# KiCad board RKD07_Assemble_BUILD.kicad_pcb
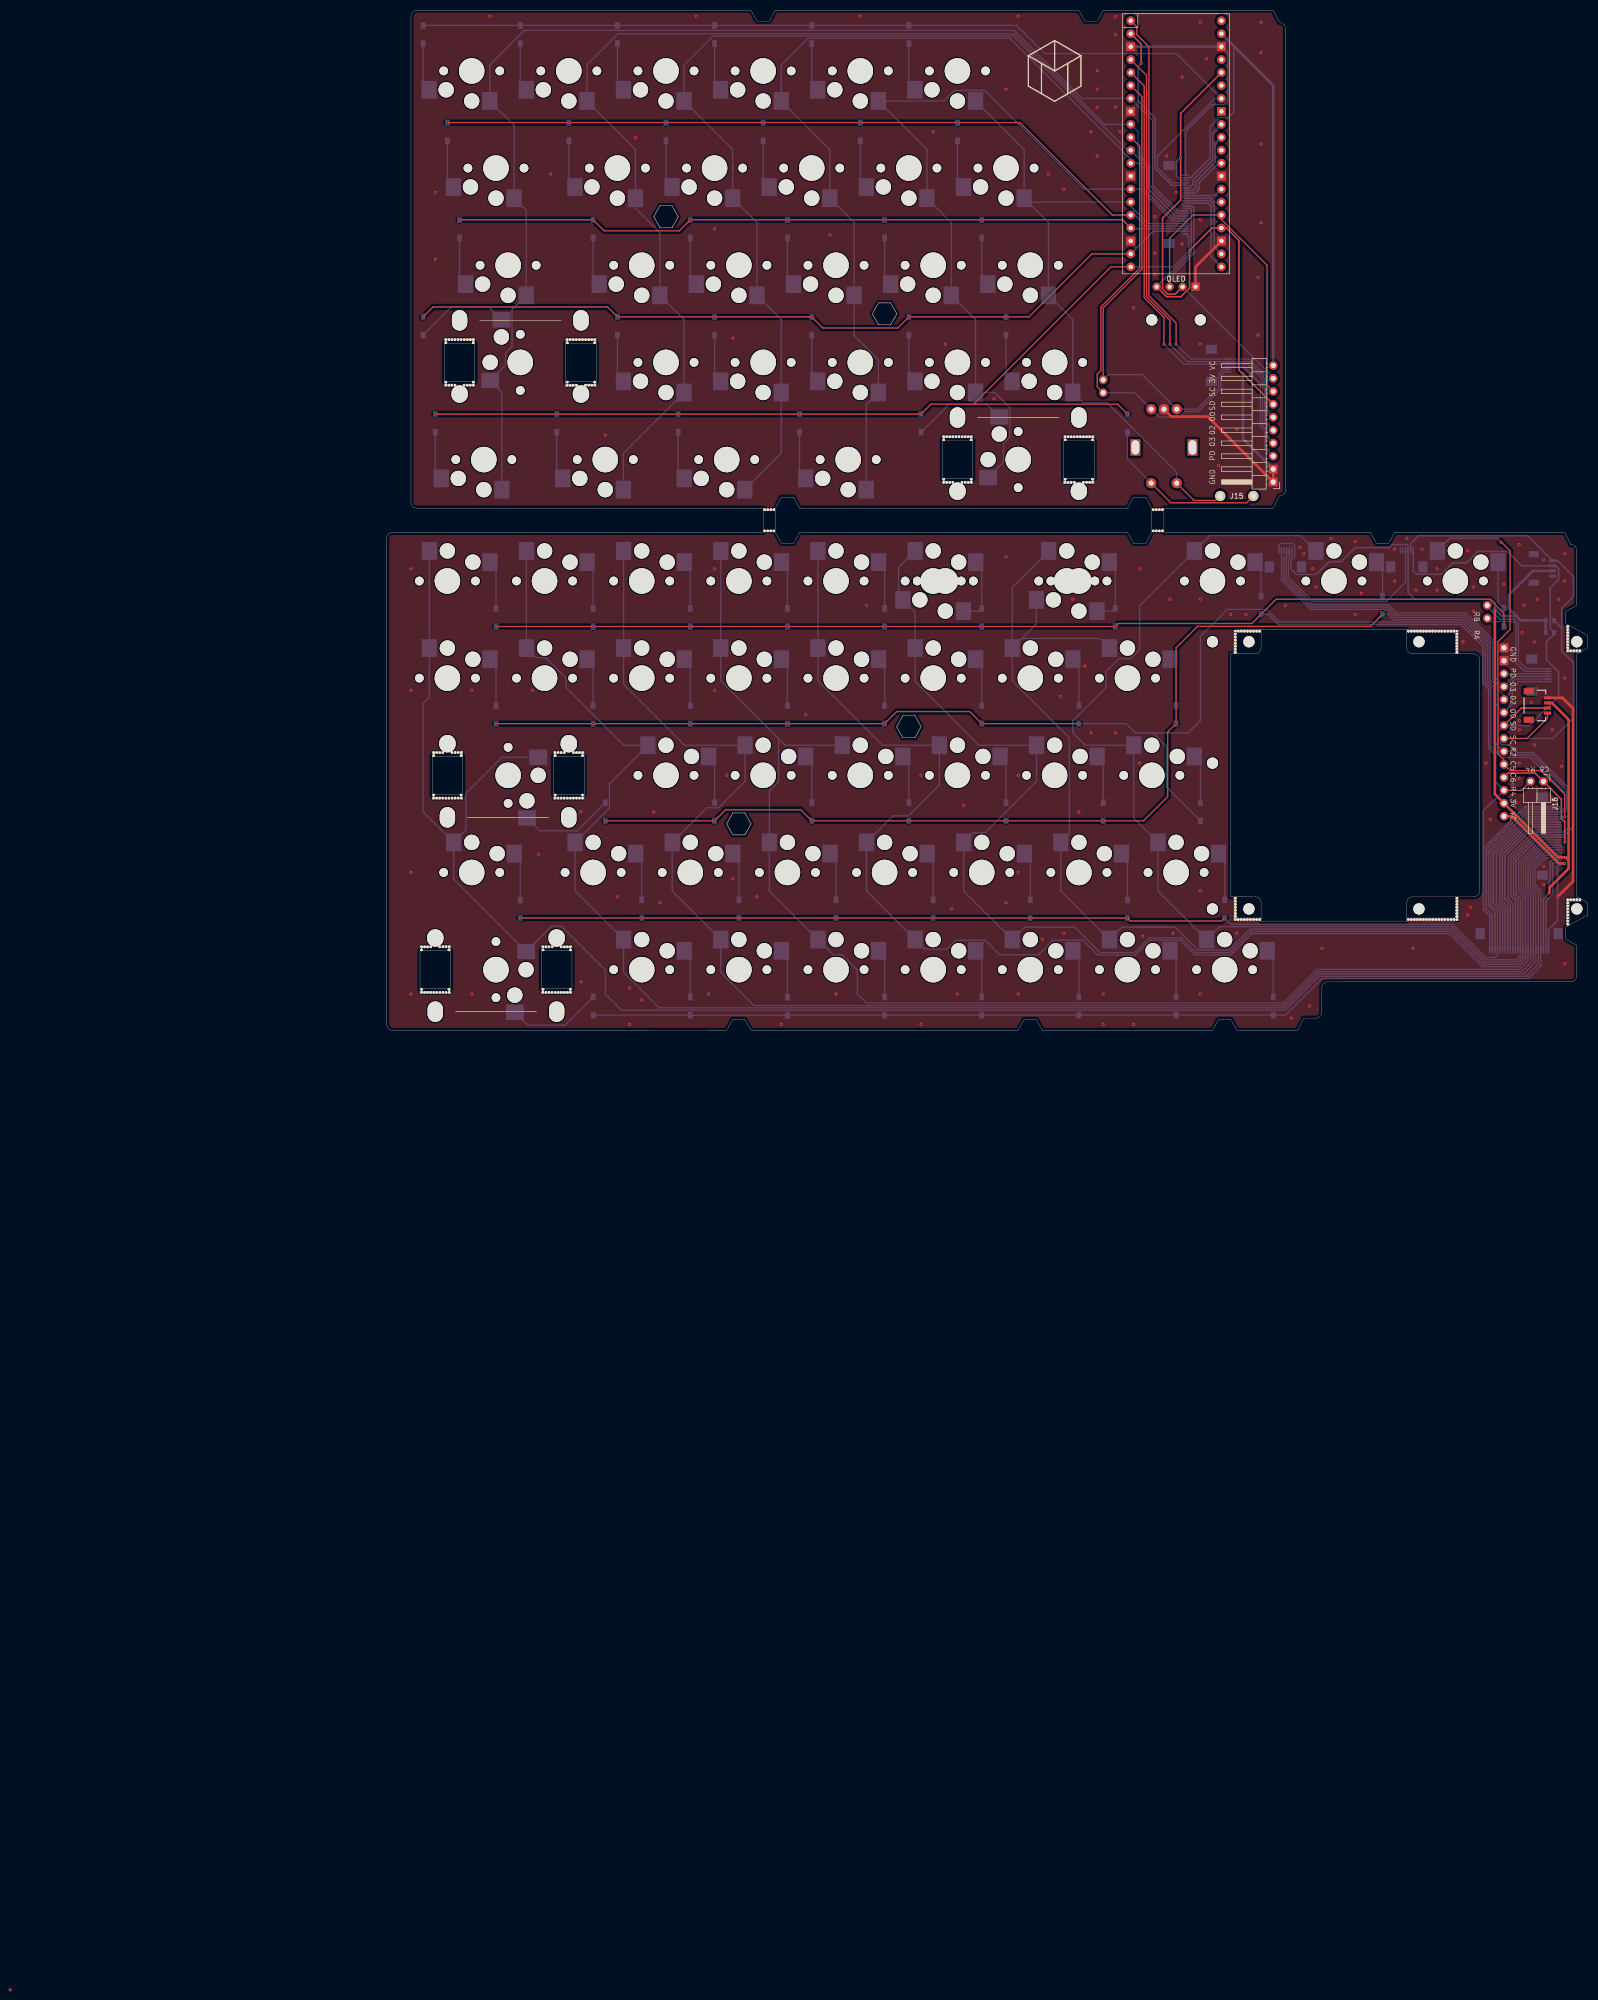
[diagram p0: board, top side]
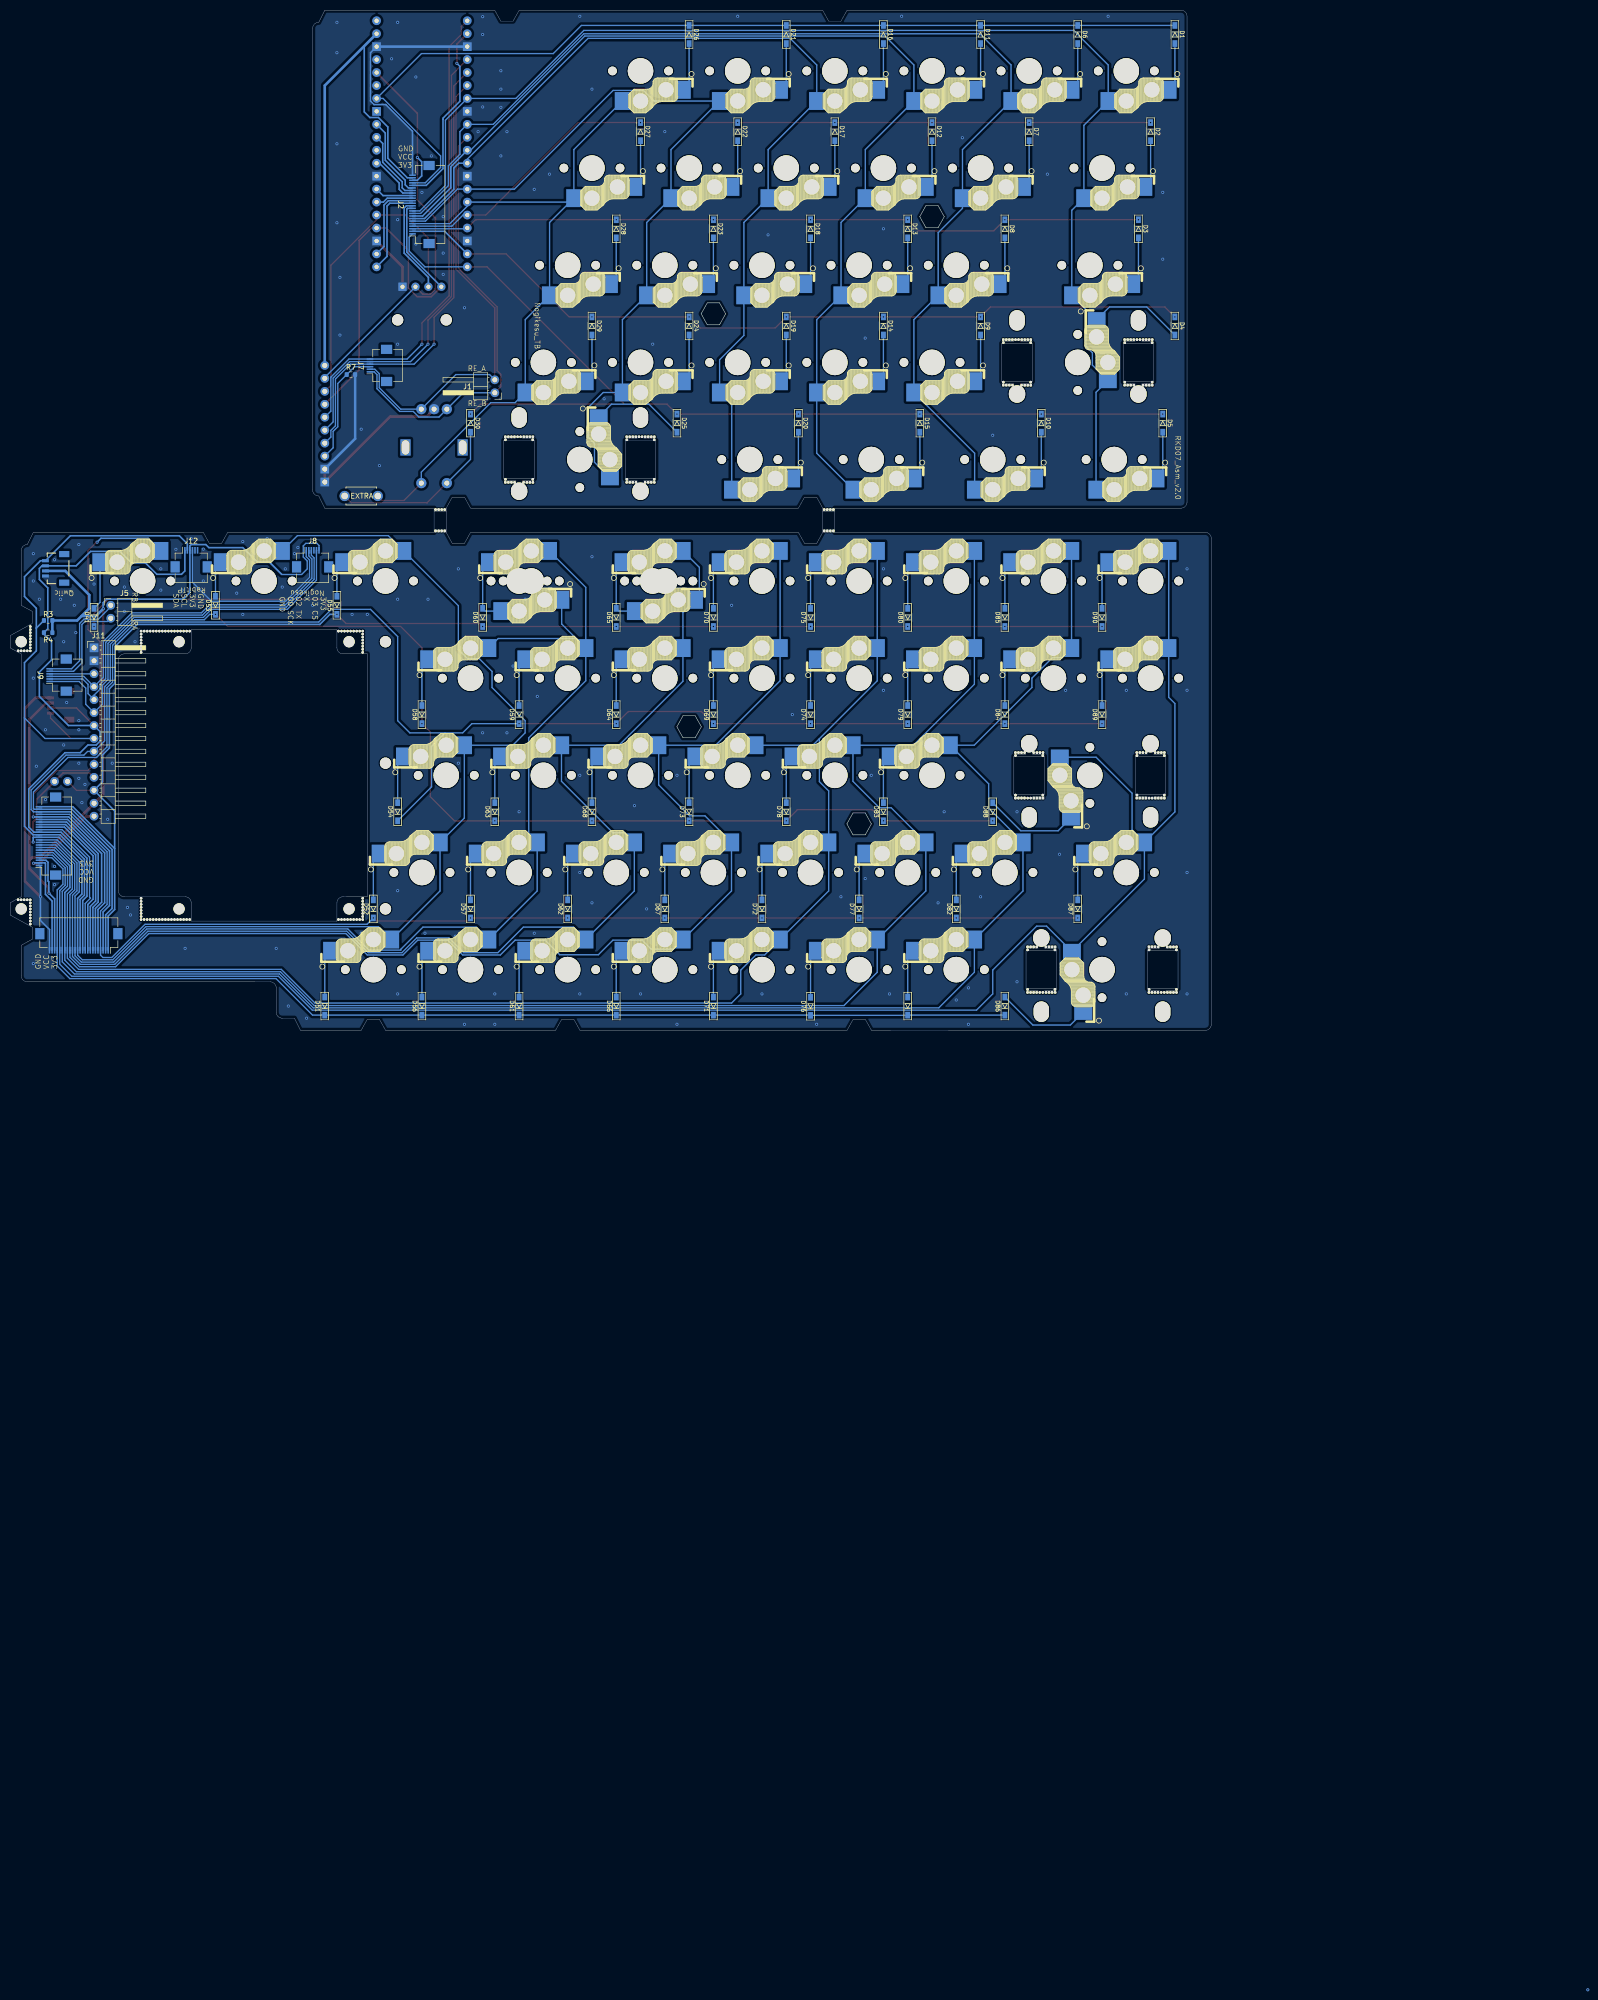
[diagram p1: board, bottom side, seen from below]

Outline 235.51 x 200.03 mm; copper layers: Top, Bottom. Coordinates in mm from the lower left corner of the outline.
Outline path: 0,96.45 arc(0.35,97.29) 1.19,97.64 73.82,97.64 ; 0,96.44 0,1.19 arc(0.35,0.35) 1.19,0.01 ; 73.82,102.4 5.95,102.4 arc(5.11,102.75) 4.76,103.59 4.76,198.84 arc(5.11,199.69) 5.95,200.03 71.42,200.03 72.62,197.88 75.02,197.88 76.22,200.03 135.71,200.03 136.91,197.88 139.31,197.88 140.51,200.03 173.83,200.03 175.02,197.65 arc(175.86,197.3) 176.21,196.46 176.21,105.97 arc(175.86,105.13) 175.01,104.78 173.83,102.4 152.4,102.4 ; 1.19,0 66.64,0.01 67.84,2.16 70.24,2.16 71.44,0.01 123.79,0.01 124.99,2.16 127.39,2.16 128.59,0.01 161.91,0.01 163.11,2.16 165.51,2.16 166.71,0.01 178.59,0.01 179.78,2.4 182.17,2.4 arc(183.01,2.74) 183.36,3.58 183.36,8.34 arc(183.71,9.18) 184.55,9.52 232.17,9.53 arc(233.01,9.88) 233.36,10.72 233.36,16.68 231.21,17.86 231.21,20.26 235.51,22.62 235.51,25.02 233.36,26.2 233.36,73.83 235.51,75.01 235.51,77.41 231.21,79.77 231.21,82.17 233.36,83.35 233.35,94.06 ; 73.82,101.81 73.82,98.24 ; 76.2,102.4 77.38,104.55 79.77,104.55 ; 76.2,101.81 76.2,98.24 ; 76.2,97.64 77.38,95.49 79.76,95.49 80.96,97.64 145.26,97.64 146.44,95.49 148.84,95.49 150.02,97.64 ; 79.76,104.55 80.96,102.4 145.26,102.4 146.44,104.55 148.84,104.55 150.02,102.4 ; 150.02,101.81 150.02,98.24 ; 152.4,101.81 152.4,98.24 ; 152.4,97.64 192.88,97.64 194.06,95.49 196.46,95.49 197.64,97.64 230.98,97.64 232.16,95.26 arc(233.01,94.91) 233.35,94.06 ; 200.03,75.02 200.03,78.59 171.45,78.59 171.45,75.01 arc(171.1,74.17) 170.26,73.83 165.5,73.83 165.5,36.91 165.5,26.21 170.25,26.2 arc(171.1,25.86) 171.45,25.01 171.45,21.44 200.03,21.44 200.03,25 arc(200.37,25.85) 201.22,26.2 213.12,26.2 arc(213.96,26.55) 214.31,27.39 214.31,72.64 ; 200.03,75.02 arc(200.37,74.18) 201.22,73.83 213.12,73.83 arc(213.96,73.48) 214.31,72.64

## Placement (name value [footprint] x y rotation side)
D1  D  [Diode_SMD]  7.14 195.27 270 top
D2  D  [Diode_SMD]  11.91 176.22 270 top
D3  D  [Diode_SMD]  14.29 157.17 270 top
D4  D  [Diode_SMD]  7.14 138.12 270 top
D5  D  [Diode_SMD]  9.53 119.07 270 top
D6  D  [Diode_SMD]  26.19 195.27 270 top
D7  D  [Diode_SMD]  35.72 176.22 270 top
D8  D  [Diode_SMD]  40.48 157.17 270 top
D9  D  [Diode_SMD]  45.24 138.12 270 top
D10  D  [Diode_SMD]  33.34 119.07 270 top
D11  D  [Diode_SMD]  45.24 195.27 270 top
D12  D  [Diode_SMD]  54.77 176.22 270 top
D13  D  [Diode_SMD]  59.53 157.17 270 top
D14  D  [Diode_SMD]  64.29 138.12 270 top
D15  D  [Diode_SMD]  57.15 119.07 270 top
D16  D  [Diode_SMD]  64.29 195.27 270 top
D17  D  [Diode_SMD]  73.82 176.22 270 top
D18  D  [Diode_SMD]  78.58 157.17 270 top
D19  D  [Diode_SMD]  83.34 138.12 270 top
D20  D  [Diode_SMD]  80.96 119.07 270 top
D21  D  [Diode_SMD]  83.34 195.27 270 top
D22  D  [Diode_SMD]  92.87 176.22 270 top
D23  D  [Diode_SMD]  97.63 157.17 270 top
D24  D  [Diode_SMD]  102.39 138.12 270 top
D25  D  [Diode_SMD]  104.78 119.07 270 top
D26  D  [Diode_SMD]  102.39 195.27 270 top
D27  D  [Diode_SMD]  111.92 176.22 270 top
D28  D  [Diode_SMD]  116.68 157.17 270 top
D29  D  [Diode_SMD]  121.44 138.12 270 top
D30  D  [Diode_SMD]  145.26 119.07 270 top
D41  D  [Diode_SMD]  219.08 80.97 90 top
D51  D  [Diode_SMD]  173.83 4.77 90 top
D52  D  [Diode_SMD]  164.31 23.82 90 top
D53  D  [Diode_SMD]  195.26 83.35 90 top
D54  D  [Diode_SMD]  159.54 42.87 90 top
D55  D  [Diode_SMD]  171.45 83.35 90 top
D56  D  [Diode_SMD]  154.78 4.77 90 top
D57  D  [Diode_SMD]  145.26 23.82 90 top
D58  D  [Diode_SMD]  154.78 61.92 90 top
D59  D  [Diode_SMD]  135.73 61.92 90 top
D60  D  [Diode_SMD]  142.88 80.97 90 top
D61  D  [Diode_SMD]  135.73 4.77 90 top
D62  D  [Diode_SMD]  126.21 23.82 90 top
D63  D  [Diode_SMD]  140.49 42.87 90 top
D64  D  [Diode_SMD]  116.68 61.92 90 top
D65  D  [Diode_SMD]  116.68 80.97 90 top
D66  D  [Diode_SMD]  116.68 4.77 90 top
D67  D  [Diode_SMD]  107.16 23.82 90 top
D68  D  [Diode_SMD]  121.44 42.87 90 top
D69  D  [Diode_SMD]  97.63 61.92 90 top
D70  D  [Diode_SMD]  97.63 80.97 90 top
D71  D  [Diode_SMD]  97.63 4.77 90 top
D72  D  [Diode_SMD]  88.11 23.82 90 top
D73  D  [Diode_SMD]  102.39 42.87 90 top
D74  D  [Diode_SMD]  78.58 61.92 90 top
D75  D  [Diode_SMD]  78.58 80.97 90 top
D76  D  [Diode_SMD]  78.58 4.72 90 top
D77  D  [Diode_SMD]  69.06 23.82 90 top
D78  D  [Diode_SMD]  83.34 42.87 90 top
D79  D  [Diode_SMD]  59.53 61.92 90 top
D80  D  [Diode_SMD]  59.53 80.97 90 top
D81  D  [Diode_SMD]  59.53 4.77 90 top
D82  D  [Diode_SMD]  50.01 23.82 90 top
D83  D  [Diode_SMD]  64.29 42.87 90 top
D84  D  [Diode_SMD]  40.48 61.92 90 top
D85  D  [Diode_SMD]  40.48 80.97 90 top
D86  D  [Diode_SMD]  40.48 4.77 90 top
D87  D  [Diode_SMD]  26.19 23.82 90 top
D88  D  [Diode_SMD]  42.86 42.87 90 top
D89  D  [Diode_SMD]  21.43 61.92 90 top
D90  D  [Diode_SMD]  21.43 80.97 90 top
hole4  KEY_SWITCH  [rkd_Asm_ChocV2_PCBMountStab_2u]  26.19 130.98 180 top
hole25  KEY_SWITCH  [rkd_Asm_ChocV2_PCBMountStab_2u]  123.83 111.93 180 top
hole86  KEY_SWITCH  [rkd_Asm_ChocV2_PCBMountStab_2u]  21.43 11.92 0 top
hole88  KEY_SWITCH  [rkd_Asm_ChocV2_PCBMountStab_2u]  23.81 50.02 0 top
J1  Conn_01x02_Socket  [PinHeader_1x02_P2.54mm_Horizontal]  140.49 125.02 0 bottom
J2  Conn_01x24  [Hirose_FH12-24S-0.5SH_1x24-1MP_P0.50mm_Horizontal]  154.78 161.93 90 bottom
J3  Conn_01x24  [Hirose_FH12-24S-0.5SH_1x24-1MP_P0.50mm_Horizontal]  228 38.11 90 bottom
J4  Conn_01x24  [Hirose_FH12-24S-0.5SH_1x24-1MP_P0.50mm_Horizontal]  222.05 17.57 0 bottom
J5  Conn_01x02_Socket  [PinHeader_1x02_P2.54mm_Horizontal]  215.8 83.35 180 bottom
J6  Qwiic_RA  [JST_SMD_1.0mm-4_Black]  228.6 90.59 90 bottom
J7  Conn_01x06  [Hirose_FH12-6S-0.5SH_1x06-1MP_P0.50mm_Horizontal]  163.12 130.38 90 bottom
J8  Conn_01x06  [Hirose_FH12-6S-0.5SH_1x06-1MP_P0.50mm_Horizontal]  176.21 92.28 180 bottom
J9  Conn_01x06  [Hirose_FH12-6S-0.5SH_1x06-1MP_P0.50mm_Horizontal]  225.92 69.66 90 bottom
J11  Conn_01x14  [PinHeader_1x14_P2.54mm_Horizontal]  219.08 75.02 180 bottom
J12  Conn_01x06  [Hirose_FH12-6S-0.5SH_1x06-1MP_P0.50mm_Horizontal]  200.03 92.28 180 bottom
J14  Qwiic_RA  [JST_SMD_1.0mm-4_Black]  227.61 63.71 270 top
J15  Conn_01x10  [PinHeader_1x10_P2.54mm_Horizontal]  173.83 107.52 180 top
J16  Conn_01x02_Socket  [PinHeader_1x02_P2.54mm_Horizontal]  226.81 48.82 270 top
M3  Mark  [m2_Spacer_Hole_hex]  54.77 159.55 0 top
M4  Mark  [m2_Spacer_Hole_hex]  97.63 140.5 0 top
M5  Mark  [m2_Spacer_Hole_hex]  102.39 59.54 180 top
M6  Mark  [m2_Spacer_Hole_hex]  69.06 40.49 180 top
M8  Mark  [rkd_LOGO_2x]  130.97 188.13 0 top
OL2  OLED  [OLED_center_display]  154.78 164.32 0 top
Point1  Guard_Screw_Hall  [rkd_Guard_Screw_Hall]  154.78 169.08 270 top
R3  1kΩ  [R_0603_1608Metric]  228.07 80.38 0 bottom
R4  1kΩ  [R_0603_1608Metric]  228.07 78 0 bottom
R7  1kΩ  [R_0603_1608Metric]  168.7 128.6 180 bottom
Ref**  Val**  [m2_Screw_Hole]  202.41 23.82 0 top
REF**  -  [rkd_cutdot]  151.21 102.11 0 top
Ref**#2  Val**  [m2_Screw_Hole]  161.93 23.82 0 top
REF**#2  -  [rkd_cutdot]  75.01 102.11 0 top
Ref**#3  Val**  [m2_Screw_Hole]  169.07 23.82 0 top
REF**#3  -  [rkd_cutdot]  151.21 97.94 0 top
Ref**#4  Val**  [m2_Screw_Hole]  233.36 23.82 0 top
REF**#4  -  [rkd_cutdot]  75.01 97.94 0 top
Ref**#5  Val**  [m2_Screw_Hole]  161.93 76.21 0 top
REF**#5  -  [rkd_cutdot_no_edgecut]  231.58 24.12 90 bottom
Ref**#6  Val**  [m2_Screw_Hole]  161.93 52.4 0 top
REF**#6  -  [rkd_cutdot_no_edgecut]  166.39 25.01 270 bottom
Ref**#7  Val**  [m2_Screw_Hole]  233.36 76.21 0 top
REF**#7  -  [rkd_cutdot_no_edgecut]  201.22 78.29 180 bottom
Ref**#8  Val**  [m2_Screw_Hole]  202.41 76.21 0 top
REF**#8  -  [rkd_cutdot_no_edgecut]  232.47 74.42 180 bottom
Ref**#9  Val**  [m2_Screw_Hole]  169.07 76.21 0 top
REF**#9  -  [rkd_cutdot_no_edgecut]  209.85 25.01 90 bottom
REF**#10  -  [rkd_cutdot_no_edgecut]  203.6 78.29 180 bottom
REF**#11  -  [rkd_cutdot_no_edgecut]  208.36 21.74 180 bottom
REF**#12  -  [rkd_cutdot_no_edgecut]  208.36 78.29 180 bottom
REF**#13  -  [rkd_cutdot_no_edgecut]  231.58 75.91 90 bottom
REF**#14  -  [rkd_cutdot_no_edgecut]  231.58 78.29 90 bottom
REF**#15  -  [rkd_cutdot_no_edgecut_1_2]  233.96 74.42 180 bottom
REF**#16  -  [rkd_cutdot_no_edgecut]  201.22 21.74 180 bottom
REF**#17  -  [rkd_cutdot_no_edgecut]  167.88 21.74 0 bottom
REF**#18  -  [rkd_cutdot_no_edgecut]  205.98 78.29 180 bottom
REF**#19  -  [rkd_cutdot_no_edgecut]  170.26 78.29 0 bottom
REF**#20  -  [rkd_cutdot_no_edgecut]  166.39 22.63 270 bottom
REF**#21  -  [rkd_cutdot_no_edgecut]  209.85 22.63 90 bottom
REF**#22  -  [rkd_cutdot_no_edgecut]  170.26 21.74 0 bottom
REF**#23  -  [rkd_cutdot_no_edgecut]  166.39 77.4 270 bottom
REF**#24  -  [rkd_cutdot_no_edgecut_1_2]  233.96 25.61 180 bottom
REF**#25  -  [rkd_cutdot_no_edgecut]  232.47 25.61 180 bottom
REF**#26  -  [rkd_cutdot_no_edgecut]  166.39 75.02 270 bottom
REF**#27  -  [rkd_cutdot_no_edgecut]  209.85 77.4 90 bottom
REF**#28  -  [rkd_cutdot_no_edgecut]  209.85 75.02 90 bottom
REF**#29  -  [rkd_cutdot_no_edgecut]  167.88 78.29 0 bottom
REF**#30  -  [rkd_cutdot_no_edgecut]  205.98 21.74 180 bottom
REF**#31  -  [rkd_cutdot_no_edgecut]  231.58 21.74 90 bottom
REF**#32  -  [rkd_cutdot_no_edgecut]  203.6 21.74 180 bottom
SW1  SW_Push  [rkd_Asm_ChocV1V2_Hotswap_1u_NM]  16.67 188.13 0 top
SW2  SW_Push  [rkd_Asm_ChocV1V2_Hotswap_1u_NM]  21.43 169.08 0 top
SW3  SW_Push  [rkd_Asm_ChocV1V2_Hotswap_1u_NM]  23.81 150.03 0 top
SW4  SW_Push  [rkd_Asm_ChocV1V2_Hotswap_1u_NM]  26.19 130.98 270 top
SW5  SW_Push  [rkd_Asm_ChocV1V2_Hotswap_1u_NM]  19.05 111.93 0 top
SW6  SW_Push  [rkd_Asm_ChocV1V2_Hotswap_1u_NM]  35.72 188.13 0 top
SW7  SW_Push  [rkd_Asm_ChocV1V2_Hotswap_1u_NM]  45.24 169.08 0 top
SW8  SW_Push  [rkd_Asm_ChocV1V2_Hotswap_1u_NM]  50.01 150.03 0 top
SW9  SW_Push  [rkd_Asm_ChocV1V2_Hotswap_1u_NM]  54.77 130.98 0 top
SW10  SW_Push  [rkd_Asm_ChocV1V2_Hotswap_1u_NM]  42.86 111.93 0 top
SW11  SW_Push  [rkd_Asm_ChocV1V2_Hotswap_1u_NM]  54.77 188.13 0 top
SW12  SW_Push  [rkd_Asm_ChocV1V2_Hotswap_1u_NM]  64.29 169.08 0 top
SW13  SW_Push  [rkd_Asm_ChocV1V2_Hotswap_1u_NM]  69.06 150.03 0 top
SW14  SW_Push  [rkd_Asm_ChocV1V2_Hotswap_1u_NM]  73.82 130.98 0 top
SW15  SW_Push  [rkd_Asm_ChocV1V2_Hotswap_1u_NM]  66.68 111.93 0 top
SW16  SW_Push  [rkd_Asm_ChocV1V2_Hotswap_1u_NM]  73.82 188.13 0 top
SW17  SW_Push  [rkd_Asm_ChocV1V2_Hotswap_1u_NM]  83.34 169.08 0 top
SW18  SW_Push  [rkd_Asm_ChocV1V2_Hotswap_1u_NM]  88.11 150.03 0 top
SW19  SW_Push  [rkd_Asm_ChocV1V2_Hotswap_1u_NM]  92.87 130.98 0 top
SW20  SW_Push  [rkd_Asm_ChocV1V2_Hotswap_1u_NM]  90.49 111.93 0 top
SW21  SW_Push  [rkd_Asm_ChocV1V2_Hotswap_1u_NM]  92.87 188.13 0 top
SW22  SW_Push  [rkd_Asm_ChocV1V2_Hotswap_1u_NM]  102.39 169.08 0 top
SW23  SW_Push  [rkd_Asm_ChocV1V2_Hotswap_1u_NM]  107.16 150.03 0 top
SW24  SW_Push  [rkd_Asm_ChocV1V2_Hotswap_1u_NM]  111.92 130.98 0 top
SW25  SW_Push  [rkd_Asm_ChocV1V2_Hotswap_1u_NM]  123.83 111.93 270 top
SW26  SW_Push  [rkd_Asm_ChocV1V2_Hotswap_1u_NM]  111.92 188.13 0 top
SW27  SW_Push  [rkd_Asm_ChocV1V2_Hotswap_1u_NM]  121.44 169.08 0 top
SW28  SW_Push  [rkd_Asm_ChocV1V2_Hotswap_1u_NM]  126.21 150.03 0 top
SW29  SW_Push  [rkd_Asm_ChocV1V2_Hotswap_1u_NM]  130.97 130.98 0 top
SW30  RotaryEncoder_Switch  [RotaryEncoder_EC11-Switch]  152.4 114.31 180 top
SW31  SW_Push  [ResetSW]  166.69 104.78 180 top
SW41  SW_Push  [rkd_Asm_ChocV1V2_Hotswap_1u_NM]  209.55 88.12 180 top
SW51  SW_Push  [rkd_Asm_ChocV1V2_Hotswap_1u_NM]  164.31 11.92 180 top
SW52  SW_Push  [rkd_Asm_ChocV1V2_Hotswap_1u_NM]  154.78 30.97 180 top
SW53  SW_Push  [rkd_Asm_ChocV1V2_Hotswap_1u_NM]  185.74 88.12 180 top
SW54  SW_Push  [rkd_Asm_ChocV1V2_Hotswap_1u_NM]  150.02 50.02 180 top
SW55  SW_Push  [rkd_Asm_ChocV1V2_Hotswap_1u_NM]  161.92 88.12 180 top
SW56  SW_Push  [rkd_Asm_ChocV1V2_Hotswap_1u_NM]  145.26 11.92 180 top
SW57  SW_Push  [rkd_Asm_ChocV1V2_Hotswap_1u_NM]  135.73 30.97 180 top
SW58  SW_Push  [rkd_Asm_ChocV1V2_Hotswap_1u_NM]  145.26 69.07 180 top
SW59  SW_Push  [rkd_Asm_ChocV1V2_Hotswap_1u_NM]  126.21 69.07 180 top
SW60  SW_Push  [rkd_Asm_ChocV1V2_Hotswap_1u_twei0.25_A_NM]  133.35 88.12 180 top
SW61  SW_Push  [rkd_Asm_ChocV1V2_Hotswap_1u_NM]  126.21 11.92 180 top
SW62  SW_Push  [rkd_Asm_ChocV1V2_Hotswap_1u_NM]  116.68 30.97 180 top
SW63  SW_Push  [rkd_Asm_ChocV1V2_Hotswap_1u_NM]  130.97 50.02 180 top
SW64  SW_Push  [rkd_Asm_ChocV1V2_Hotswap_1u_NM]  107.16 69.07 180 top
SW65  SW_Push  [rkd_Asm_ChocV1V2_Hotswap_1u_twei0.25_A_NM]  107.16 88.12 180 top
SW66  SW_Push  [rkd_Asm_ChocV1V2_Hotswap_1u_NM]  107.16 11.92 180 top
SW67  SW_Push  [rkd_Asm_ChocV1V2_Hotswap_1u_NM]  97.63 30.97 180 top
SW68  SW_Push  [rkd_Asm_ChocV1V2_Hotswap_1u_NM]  111.92 50.02 180 top
SW69  SW_Push  [rkd_Asm_ChocV1V2_Hotswap_1u_NM]  88.11 69.07 180 top
SW70  SW_Push  [rkd_Asm_ChocV1V2_Hotswap_1u_NM]  88.11 88.12 180 top
SW71  SW_Push  [rkd_Asm_ChocV1V2_Hotswap_1u_NM]  88.11 11.92 180 top
SW72  SW_Push  [rkd_Asm_ChocV1V2_Hotswap_1u_NM]  78.58 30.97 180 top
SW73  SW_Push  [rkd_Asm_ChocV1V2_Hotswap_1u_NM]  92.87 50.02 180 top
SW74  SW_Push  [rkd_Asm_ChocV1V2_Hotswap_1u_NM]  69.06 69.07 180 top
SW75  SW_Push  [rkd_Asm_ChocV1V2_Hotswap_1u_NM]  69.06 88.12 180 top
SW76  SW_Push  [rkd_Asm_ChocV1V2_Hotswap_1u_NM]  69.06 11.92 180 top
SW77  SW_Push  [rkd_Asm_ChocV1V2_Hotswap_1u_NM]  59.53 30.97 180 top
SW78  SW_Push  [rkd_Asm_ChocV1V2_Hotswap_1u_NM]  73.82 50.02 180 top
SW79  SW_Push  [rkd_Asm_ChocV1V2_Hotswap_1u_NM]  50.01 69.07 180 top
SW80  SW_Push  [rkd_Asm_ChocV1V2_Hotswap_1u_NM]  50.01 88.12 180 top
SW81  SW_Push  [rkd_Asm_ChocV1V2_Hotswap_1u_NM]  50.01 11.92 180 top
SW82  SW_Push  [rkd_Asm_ChocV1V2_Hotswap_1u_NM]  40.48 30.97 180 top
SW83  SW_Push  [rkd_Asm_ChocV1V2_Hotswap_1u_NM]  54.77 50.02 180 top
SW84  SW_Push  [rkd_Asm_ChocV1V2_Hotswap_1u_NM]  30.96 69.07 180 top
SW85  SW_Push  [rkd_Asm_ChocV1V2_Hotswap_1u_NM]  30.96 88.12 180 top
SW86  SW_Push  [rkd_Asm_ChocV1V2_Hotswap_1u_NM]  21.43 11.92 90 top
SW87  SW_Push  [rkd_Asm_ChocV1V2_Hotswap_1u_NM]  16.67 30.97 180 top
SW88  SW_Push  [rkd_Asm_ChocV1V2_Hotswap_1u_NM]  23.81 50.02 90 top
SW89  SW_Push  [rkd_Asm_ChocV1V2_Hotswap_1u_NM]  11.91 69.07 180 top
SW90  SW_Push  [rkd_Asm_ChocV1V2_Hotswap_1u_NM]  11.91 88.12 180 top
U1  Pico  [rkd_RPi_Pico_TH_NODBG]  154.78 173.84 0 top

## Library data of the parts
D1-D30 D41 D51-D90 = -: Description: Diode; Sim.Pins: 1=K 2=A; ki_fp_filters: TO-???* *_Diode_* *SingleDiode* D_*
J1 J5 J16 = -: Description: Generic connector, single row, 01x02, script generated (kicad-library-utils/schlib/autogen/connector/); ki_fp_filters: Connector*:*_1x??_*
J2-J4 = -: Description: Generic connector, single row, 01x24, script generated (kicad-library-utils/schlib/autogen/connector/); ki_fp_filters: Connector*:*_1x??_*
J6 J14 = -: Datasheet: https://www.jst-mfg.com/product/pdf/eng/eSH.pdf; Description: 4 pin JST 1mm polarized connector for I2C; PROD_ID: CONN-13694; ki_fp_filters: Connector*:*_1x??_*
J7-J9 J12 = -: Description: Generic connector, single row, 01x06, script generated (kicad-library-utils/schlib/autogen/connector/); ki_fp_filters: Connector*:*_1x??_*
J11 = -: Description: Generic connector, single row, 01x14, script generated (kicad-library-utils/schlib/autogen/connector/); ki_fp_filters: Connector*:*_1x??_*
J15 = -: Description: Generic connector, single row, 01x10, script generated (kicad-library-utils/schlib/autogen/connector/); ki_fp_filters: Connector*:*_1x??_*
R3 R4 R7 = -: ki_fp_filters: R_*
SW1-SW29 SW31 SW41 SW51-SW90 = -: Description: Push button switch, generic, two pins
SW30 = -: Description: Rotary encoder, dual channel, incremental quadrate outputs, with switch; ki_fp_filters: RotaryEncoder*Switch*
